# Allegro board meta_module_lay_rev1.brd (continued)
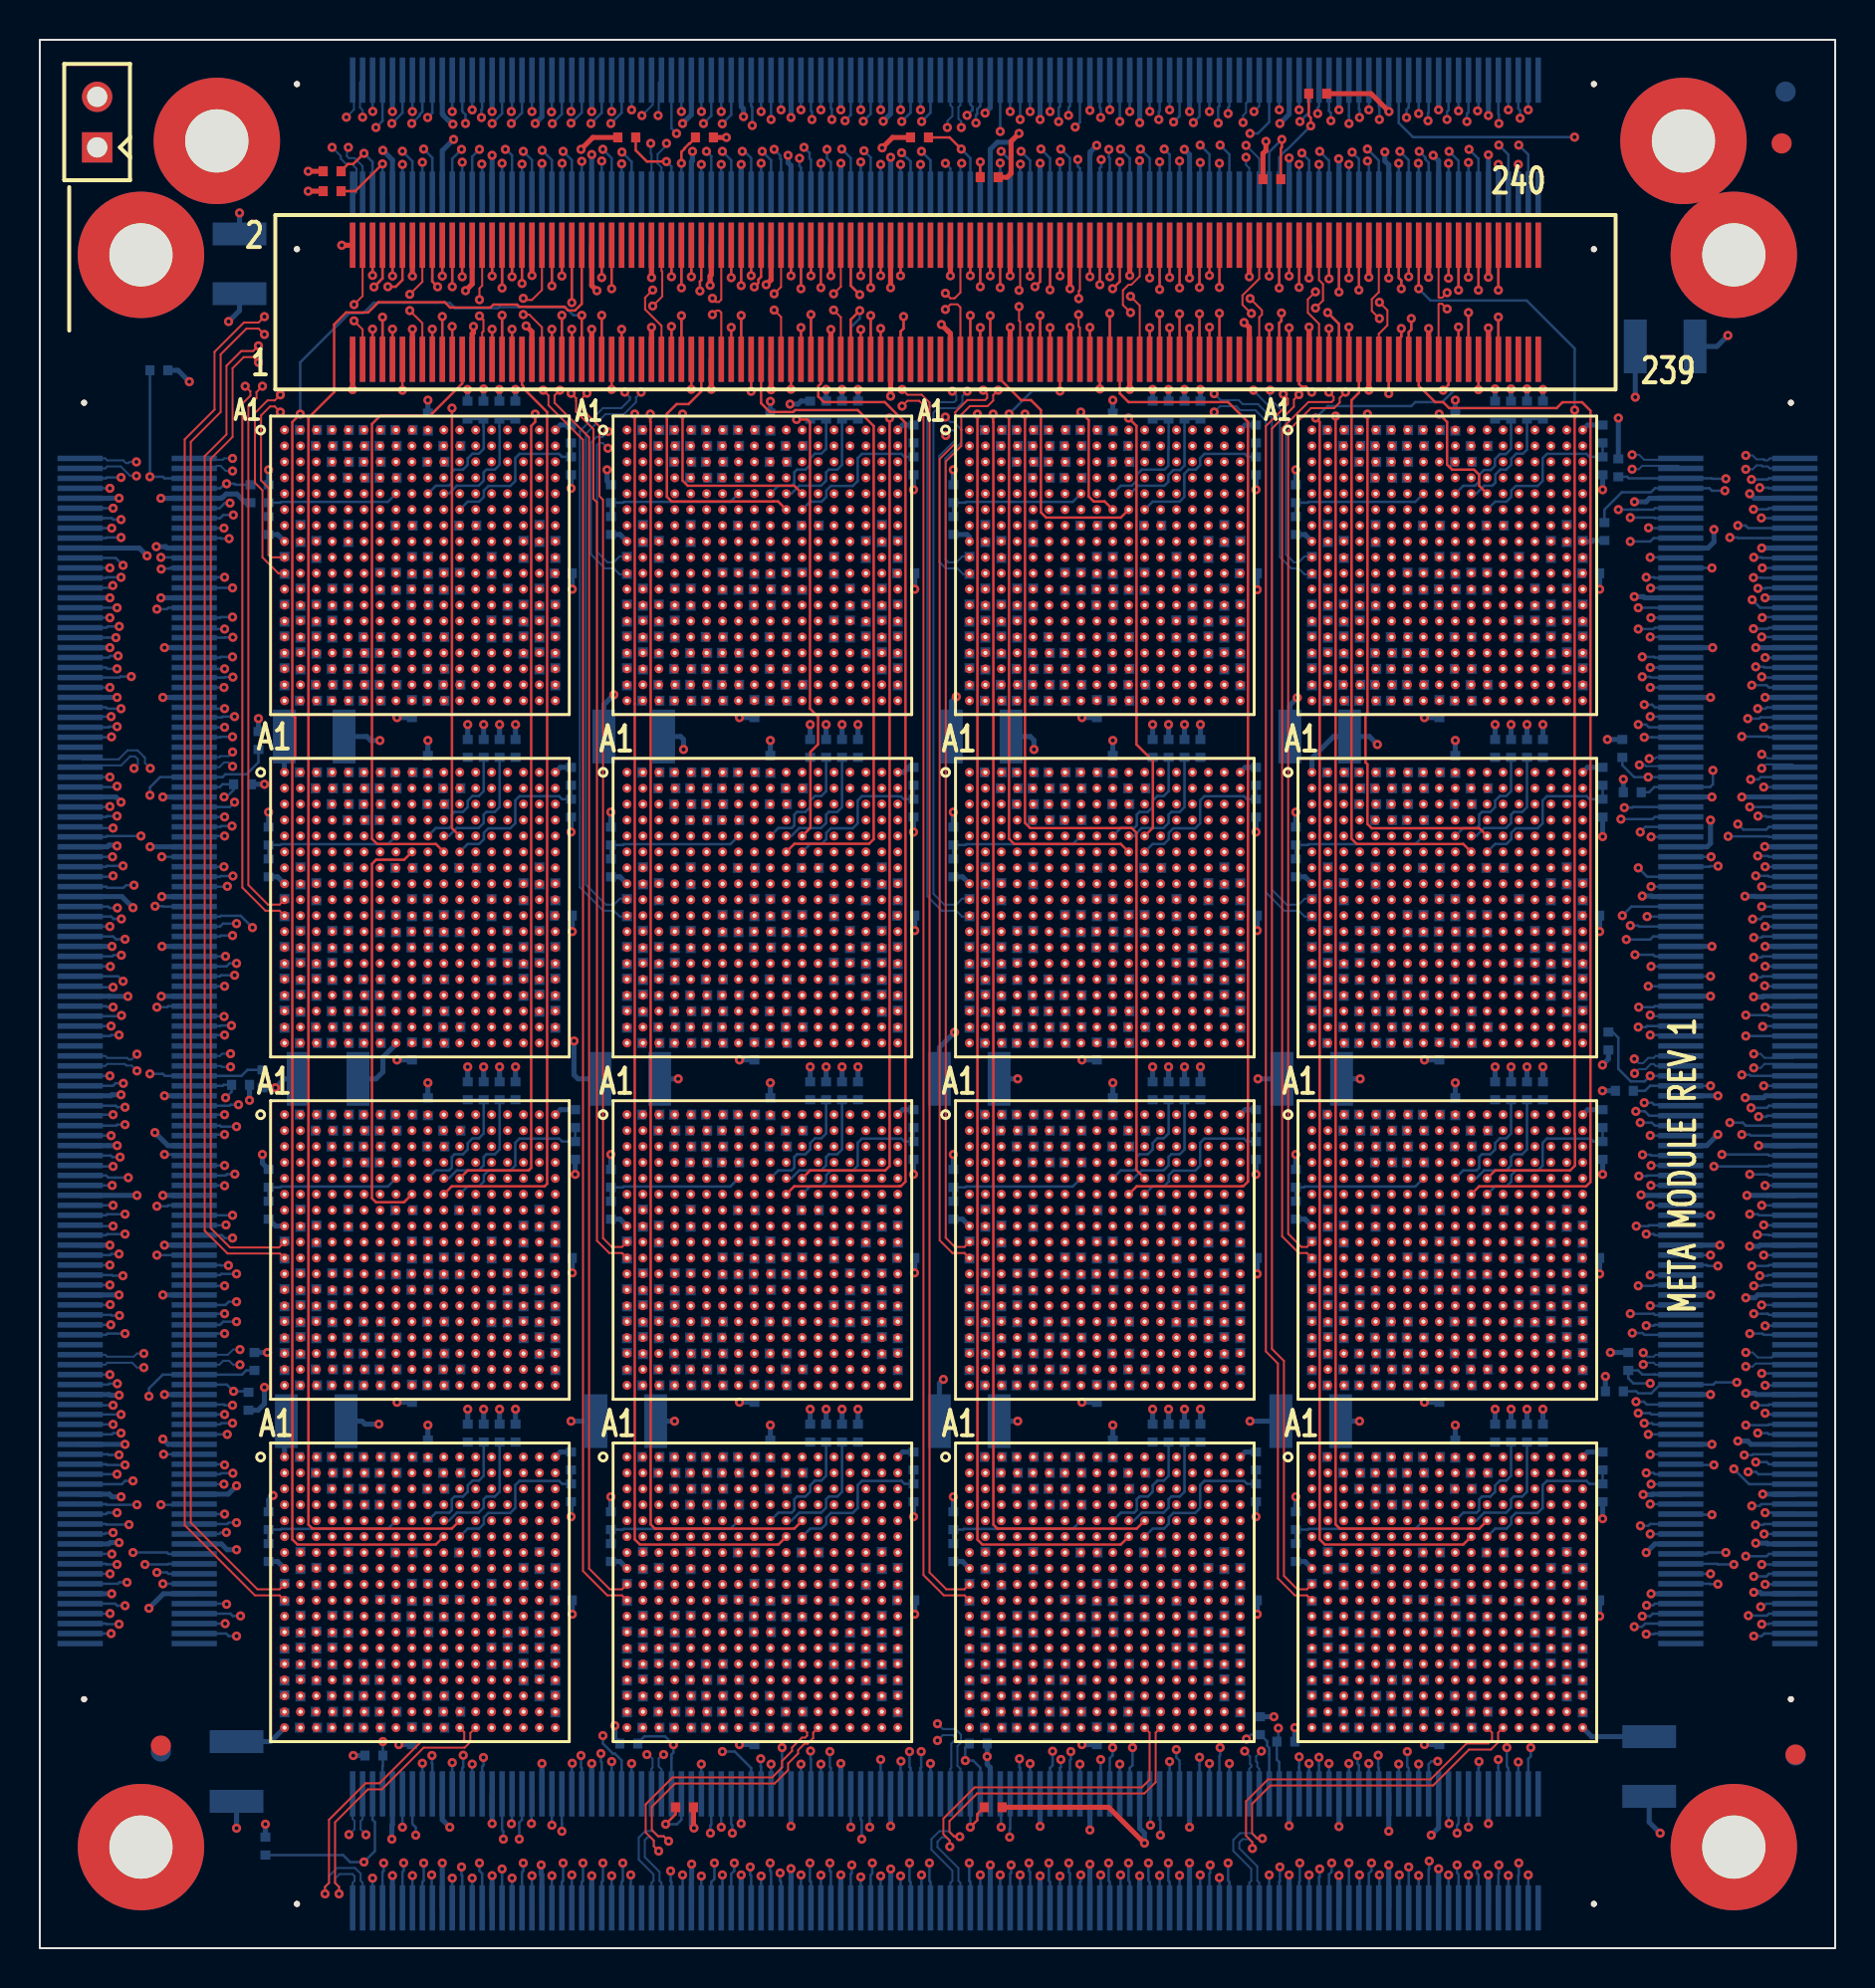
[diagram p0: board, top side]
## Routing (per net, layer and track width the routed paths; a pad name or vN(x,y) marks a point on that pad's centre or on a via; arc(x,y) is an arc through that point) (continued)
WE_DATA_IN_N4: length 4.6
  SIGNAL_L10 w0.083: v1(9.68,64.88) 11.08,64.88 11.28,65.08 U3.R1
  BOTTOM w0.127: v1(9.68,64.88) 9.09,64.88 9.05,64.84 J6.41
WE_DATA_IN_N5: length 6.5
  SIGNAL_L10 w0.083: U3.P2 12.69,65.48 12.69,64.89 12.48,64.68 11.68,64.68 10.86,63.86 v1(9.7,63.86)
  BOTTOM w0.127: J6.45 9.28,63.84 9.3,63.86 v1(9.7,63.86)
WE_DATA_IN_N6: length 11.9
  SIGNAL_L5 w0.083: U3.N3 14.28,67.07 14.28,67.68 14.08,67.88 11.88,67.88 11.28,67.28 11.28,64.28 v1(9.28,62.28)
  BOTTOM w0.127: J6.51 7.82,62.28 v1(9.28,62.28)
WE_DATA_IN_N7: length 11.3
  SIGNAL_L3 w0.083: v1(9.28,61.34) 9.77,61.34 10.28,61.85 10.28,62.68 11.08,63.48 11.08,65.28 12.08,66.28 13.37,66.28 13.48,66.39 13.48,66.81 13.73,67.06 14.27,67.06 U3.M4
  BOTTOM w0.127: v1(9.28,61.34) J6.55
WE_DATA_IN_N8: length 14.1
  SIGNAL_L12 w0.083: v1(6.12,54.84) 7.83,53.13 7.83,48.38 8.93,47.28 11.29,47.28 U4.U1
  BOTTOM w0.127: v1(6.12,54.84) J6.81
WE_DATA_IN_N9: length 11.4
  SIGNAL_L12 w0.083: v1(9.7,53.87) 9.27,53.87 8.98,53.58 8.98,50.71 9.61,50.08 9.81,50.08 11.78,48.11 11.78,47.87 12.2,47.45 12.72,47.45 U4.T2
  BOTTOM w0.127: J6.85 9.05,53.84 9.09,53.87 v1(9.7,53.87)
WE_DATA_IN_N10: length 11.9
  SIGNAL_L6 w0.083: v1(5.79,52.35) 9.82,48.32 12.13,48.32 12.14,48.31 13.24,48.31 13.25,48.32 13.45,48.32 U4.R3
  BOTTOM w0.127: v1(5.79,52.35) 6.18,52.35 6.2,52.34 J6.91
WE_DATA_IN_N11: length 9.3
  SIGNAL_L12 w0.083: U4.P4 15.08,49.07 15.08,49.61 14.81,49.88 11.48,49.88 v1(9.88,51.48)
  BOTTOM w0.127: v1(9.88,51.48) 9.2,51.48 9.05,51.34 J6.95
WE_DATA_IN_N12: length 5.9
  SIGNAL_L10 w0.083: U4.R1 10.26,47.88 9.33,48.82 v1(9.33,49.83)
  BOTTOM w0.127: v1(9.33,49.83) J6.101
WE_DATA_IN_N13: length 5.8
  SIGNAL_L10 w0.083: U4.P2 12.69,48.28 10.39,48.28 v1(9.78,48.88)
  BOTTOM w0.127: v1(9.78,48.88) 9.11,48.88 9.05,48.83 J6.105
WE_DATA_IN_N14: length 13.3
  SIGNAL_L5 w0.083: U4.N3 14.28,49.87 14.28,50.48 14.08,50.68 11.88,50.68 10.68,49.48 10.68,48.88 9.08,47.28 v1(5.88,47.28)
  BOTTOM w0.127: J6.111 6.45,47.33 6.4,47.28 v1(5.88,47.28)
WE_DATA_IN_N15: length 9
  SIGNAL_L3 w0.083: U4.M4 14.27,49.86 13.73,49.86 13.48,49.61 13.48,49.19 13.37,49.08 12.08,49.08 11.28,48.28 11.28,48.01 v1(9.62,46.36)
  BOTTOM w0.127: J6.115 9.05,46.33 9.08,46.36 v1(9.62,46.36)
WE_DATA_IN_N16: length 16.2
  SIGNAL_L12 w0.083: U11.U1 11.92,29.45 11.92,29.96 11.38,30.51 9.05,30.51 7.58,31.98 7.58,38.56 v1(6.26,39.88)
  BOTTOM w0.127: v1(6.26,39.88) 7.7,39.88 J6.141
WE_DATA_IN_N17: length 14.5
  SIGNAL_L12 w0.083: U11.T2 12.69,30.28 12.16,30.28 10.36,32.08 9.61,32.08 8.68,33.01 8.68,38.41 9.15,38.88 9.41,38.88 9.42,38.89 v1(9.79,38.89)
  BOTTOM w0.127: v1(9.79,38.89) 9.4,38.89 9.33,38.82 J6.145
WE_DATA_IN_N18: length 13.4
  SIGNAL_L6 w0.083: U11.R3 13.48,31.09 11.67,31.09 10.68,32.08 9.75,32.08 7.88,33.95 7.88,35.28 v1(5.88,37.28)
  BOTTOM w0.127: J6.151 6.45,37.32 6.41,37.28 v1(5.88,37.28)
WE_DATA_IN_N19: length 10.8
  SIGNAL_L12 w0.083: U11.P4 15.08,31.87 15.08,32.41 14.81,32.68 12.17,32.68 12.14,32.71 12.14,32.71 11.92,32.93 11.92,32.93 10.08,34.77 10.08,35.98 9.82,36.24 9.82,36.24 9.72,36.34 v1(9.35,36.34)
  BOTTOM w0.127: J6.155 9.32,36.32 9.34,36.34 v1(9.35,36.34)
WE_DATA_IN_N20: length 10.1
  SIGNAL_L10 w0.083: U11.R1 10.15,30.68 9.55,31.28 9.22,31.28 8.58,31.92 8.58,32.12 v1(5.88,34.82)
  BOTTOM w0.127: v1(5.88,34.82) J6.161
WE_DATA_IN_N21: length 8.5
  SIGNAL_L10 w0.083: v1(9.88,33.88) 9.28,33.88 8.88,33.48 8.88,33.15 9.17,32.85 10.71,32.85 11.68,31.88 12.69,31.88 U11.P2
  BOTTOM w0.127: J6.165 9.05,33.82 9.11,33.88 v1(9.88,33.88)
WE_DATA_IN_N22: length 8.3
  SIGNAL_L5 w0.083: v1(9.88,32.48) 10.88,32.48 11.88,33.48 14.08,33.48 14.28,33.28 14.28,32.67 U11.N3
  BOTTOM w0.127: J6.171 9.33,32.32 9.49,32.48 v1(9.88,32.48)
WE_DATA_IN_N23: length 7.9
  SIGNAL_L3 w0.083: U11.M4 14.27,32.66 13.73,32.66 13.48,32.41 13.48,31.99 13.37,31.88 11.68,31.88 11.28,31.48 v1(9.88,31.48)
  BOTTOM w0.127: J6.175 9.05,31.32 9.21,31.48 v1(9.88,31.48)
WE_DATA_IN_N24: length 17
  SIGNAL_L12 w0.083: v1(6.22,24.82) 7.73,23.3 7.73,16.44 U12.U1
  BOTTOM w0.127: v1(6.22,24.82) J6.201
WE_DATA_IN_N25: length 16.2
  SIGNAL_L12 w0.083: U12.T2 12.69,13.08 11.95,13.08 8.48,16.55 8.48,23.08 9.26,23.86 v1(9.7,23.86)
  BOTTOM w0.127: v1(9.7,23.86) 9.11,23.86 9.05,23.81 J6.205
WE_DATA_IN_N26: length 15.5
  SIGNAL_L6 w0.083: v1(6.08,22.28) 7.08,21.28 7.08,17.28 10.46,13.9 13.47,13.9 U12.R3
  BOTTOM w0.127: v1(6.08,22.28) 7.72,22.28 J6.211
WE_DATA_IN_N27: length 13.6
  SIGNAL_L12 w0.083: U12.P4 15.08,14.67 15.08,15.28 14.88,15.48 12.17,15.48 12.14,15.51 12.14,15.51 11.92,15.73 11.92,15.73 11.48,16.17 11.48,16.68 9.35,18.81 9.35,20.17 9.88,20.7 v1(9.88,21.38)
  BOTTOM w0.127: J6.215 9.42,21.31 9.49,21.38 v1(9.88,21.38)
WE_DATA_IN_N28: length 14.2
  SIGNAL_L10 w0.083: U12.R1 9.68,13.48 4.88,18.28 4.88,18.68 4.68,18.88 v1(4.68,19.88)
  BOTTOM w0.127: v1(4.68,19.88) 6.39,19.88 6.45,19.81 J6.221
WE_DATA_IN_N29: length 11.8
  SIGNAL_L10 w0.083: v1(5.88,18.88) 5.62,18.62 5.62,18.2 9.14,14.68 12.69,14.68 U12.P2
  BOTTOM w0.127: J6.225 6.45,18.81 6.38,18.88 v1(5.88,18.88)
WE_DATA_IN_N30: length 8.7
  SIGNAL_L5 w0.083: U12.N3 14.28,15.47 14.28,16.88 14.08,17.08 11.28,17.08 11.08,17.28 v1(9.38,17.28)
  BOTTOM w0.127: v1(9.38,17.28) 9.35,17.31 J6.231
WE_DATA_IN_N31: length 7.1
  SIGNAL_L6 w0.083: v1(9.31,16.31) 14.26,16.31 U12.M4
  BOTTOM w0.127: v1(9.31,16.31) J6.235
WE_DATA_IN_P0: length 10.2
  SIGNAL_L12 w0.083: v1(6.09,69.29) 7.98,67.41 7.98,67.04 9.57,65.44 10.52,65.44 11.68,64.28 U3.T1
  BOTTOM w0.127: J6.23 6.55,69.35 6.52,69.32 6.12,69.32 v1(6.09,69.29)
WE_DATA_IN_P1: length 7
  SIGNAL_L12 w0.083: v1(9.68,68.35) 9.68,67.88 12.08,65.48 12.69,65.48 U3.R2
  BOTTOM w0.127: v1(9.68,68.35) J6.27
WE_DATA_IN_P2: length 6.6
  SIGNAL_L6 w0.083: v1(9.68,66.88) 11.08,66.88 11.68,66.28 13.49,66.28 U3.P3
  BOTTOM w0.127: v1(9.68,66.88) 9.09,66.88 9.05,66.85 J6.33
WE_DATA_IN_P3: length 7.3
  SIGNAL_L9 w0.083: U3.N4 14.29,66.28 11.68,66.28 11.26,65.86 v1(9.7,65.86)
  BOTTOM w0.127: v1(9.7,65.86) 9.3,65.86 9.28,65.85 J6.37
WE_DATA_IN_P4: length 5.7
  SIGNAL_L10 w0.083: U3.P1 11.89,65.48 9.68,65.48 9.28,65.08 v1(9.28,64.28)
  BOTTOM w0.127: J6.43 7.82,64.28 v1(9.28,64.28)
WE_DATA_IN_P5: length 8.8
  SIGNAL_L10 w0.083: v1(9.25,63.34) 11.34,63.34 11.88,63.88 13.28,63.88 13.48,64.08 13.48,66.29 U3.N2
  BOTTOM w0.127: v1(9.25,63.34) J6.47
WE_DATA_IN_P6: length 10.2
  SIGNAL_L5 w0.083: U3.M3 13.49,67.08 12.08,67.08 11.68,66.68 11.68,63.78 v1(9.78,61.88)
  BOTTOM w0.127: v1(9.78,61.88) 9.19,61.88 9.15,61.84 J6.53
WE_DATA_IN_P7: length 13.2
  SIGNAL_L3 w0.083: v1(9.68,60.87) 10.48,61.67 10.48,62.38 11.48,63.38 11.48,64.97 11.98,65.46 13.35,65.46 13.48,65.59 13.48,66.01 13.75,66.28 14.88,66.28 15.11,66.51 15.11,67.86 U3.L4
  BOTTOM w0.127: v1(9.68,60.87) 9.08,60.87 9.05,60.84 J6.57
WE_DATA_IN_P8: length 12.6
  SIGNAL_L12 w0.083: v1(9.25,54.34) 8.13,53.22 8.13,48.34 8.99,47.48 11.88,47.48 12.02,47.34 12.03,47.34 U4.T1
  BOTTOM w0.127: v1(9.25,54.34) J6.83
WE_DATA_IN_P9: length 9.4
  SIGNAL_L12 w0.083: v1(9.42,53.35) 9.42,51.92 9.28,51.78 9.28,50.68 9.68,50.28 9.95,50.28 11.95,48.28 12.69,48.28 U4.R2
  BOTTOM w0.127: v1(9.42,53.35) 9.35,53.35 9.34,53.34 J6.87
WE_DATA_IN_P10: length 7.9
  SIGNAL_L6 w0.083: U4.P3 13.49,49.08 12.15,49.08 10.68,50.55 v1(10.68,51.28)
  BOTTOM w0.127: J6.93 9.05,51.83 9.09,51.87 10.09,51.87 v1(10.68,51.28)
WE_DATA_IN_P11: length 7.9
  SIGNAL_L12 w0.083: v1(9.68,50.88) 11.48,49.08 14.29,49.08 U4.N4
  BOTTOM w0.127: J6.97 9.05,50.83 9.1,50.88 v1(9.68,50.88)
WE_DATA_IN_P12: length 4.9
  SIGNAL_L10 w0.083: v1(9.88,49.48) 11.49,49.48 U4.P1
  BOTTOM w0.127: J6.103 9.38,49.33 9.53,49.48 v1(9.88,49.48)
WE_DATA_IN_P13: length 8.1
  SIGNAL_L10 w0.083: U4.N2 13.48,49.09 13.48,47.68 13.28,47.48 10.13,47.48 v1(9.28,48.33)
  BOTTOM w0.127: v1(9.28,48.33) J6.107
WE_DATA_IN_P14: length 7.7
  SIGNAL_L5 w0.083: v1(9.25,46.81) 11.68,49.24 11.68,49.48 12.08,49.88 13.49,49.88 U4.M3
  BOTTOM w0.127: J6.113 9.23,46.83 9.25,46.81 v1(9.25,46.81)
WE_DATA_IN_P15: length 11.6
  SIGNAL_L3 w0.083: v1(9.28,45.88) 9.88,45.88 9.98,45.98 10.68,45.98 10.88,46.18 10.88,47.17 11.98,48.26 13.35,48.26 13.48,48.39 13.48,48.81 13.75,49.08 14.88,49.08 15.11,49.31 15.11,50.66 U4.L4
  BOTTOM w0.127: J6.117 7.8,45.88 v1(9.28,45.88)
WE_DATA_IN_P16: length 15
  SIGNAL_L12 w0.083: v1(9.28,39.33) 8.91,39.33 7.78,38.2 7.78,32.13 8.58,31.33 9.5,31.33 9.75,31.08 11.09,31.08 U11.T1
  BOTTOM w0.127: v1(9.28,39.33) J6.143
WE_DATA_IN_P17: length 11.3
  SIGNAL_L12 w0.083: U11.R2 12.69,31.08 12.12,31.08 8.95,34.25 8.95,37.98 v1(9.28,38.31)
  BOTTOM w0.127: v1(9.28,38.31) 9.26,38.33 J6.147
WE_DATA_IN_P18: length 9.8
  SIGNAL_L6 w0.083: v1(9.68,36.82) 10.68,35.82 10.68,33.28 12.08,31.88 13.49,31.88 U11.P3
  BOTTOM w0.127: v1(9.68,36.82) J6.153
WE_DATA_IN_P19: length 9.6
  SIGNAL_L12 w0.083: U11.N4 14.29,31.88 12.08,31.88 11.68,32.28 11.68,32.63 9.68,34.63 v1(9.68,35.68)
  BOTTOM w0.127: J6.157 9.14,35.82 9.29,35.68 v1(9.68,35.68)
WE_DATA_IN_P20: length 7.8
  SIGNAL_L10 w0.083: v1(9.47,34.3) 9.45,34.28 9.08,34.28 8.68,33.88 8.68,33.08 9.88,31.88 10.68,31.88 11.08,31.48 U11.P1
  BOTTOM w0.127: J6.163 9.06,34.32 9.08,34.3 v1(9.47,34.3)
WE_DATA_IN_P21: length 5.8
  SIGNAL_L10 w0.083: U11.N2 12.69,32.68 11.88,32.68 11.28,33.28 v1(9.28,33.28)
  BOTTOM w0.127: v1(9.28,33.28) 7.8,33.28 J6.167
WE_DATA_IN_P22: length 6.7
  SIGNAL_L5 w0.083: v1(9.28,31.88) 11.08,31.88 11.88,32.68 13.49,32.68 U11.M3
  BOTTOM w0.127: J6.173 7.81,31.88 v1(9.28,31.88)
WE_DATA_IN_P23: length 10.1
  SIGNAL_L3 w0.083: U11.L4 15.11,33.46 15.11,32.11 14.88,31.88 13.75,31.88 13.48,31.61 13.48,31.19 13.37,31.08 11.48,31.08 11.28,30.88 v1(9.28,30.88)
  BOTTOM w0.127: v1(9.28,30.88) 7.82,30.88 J6.177
WE_DATA_IN_P24: length 15.8
  SIGNAL_L12 w0.083: v1(9.28,24.28) 8.88,24.28 8.1,23.5 8.1,16.5 11.92,12.68 U12.T1
  BOTTOM w0.127: J6.203 9.25,24.31 v1(9.28,24.28)
WE_DATA_IN_P25: length 13.6
  SIGNAL_L12 w0.083: v1(9.25,23.31) 8.88,22.95 8.88,18.68 10.88,16.68 10.88,15.12 12.12,13.88 12.69,13.88 U12.R2
  BOTTOM w0.127: v1(9.25,23.31) J6.207
WE_DATA_IN_P26: length 13.5
  SIGNAL_L6 w0.083: v1(9.28,21.81) 8.68,21.21 8.68,16.08 10.08,14.68 13.49,14.68 U12.P3
  BOTTOM w0.127: v1(9.28,21.81) J6.213
WE_DATA_IN_P27: length 12
  SIGNAL_L12 w0.083: U12.N4 14.29,14.68 12.08,14.68 11.07,15.69 11.07,16.76 9.1,18.72 9.1,20.63 v1(9.37,20.89)
  BOTTOM w0.127: v1(9.37,20.89) 9.09,20.89 9.01,20.81 J6.217
WE_DATA_IN_P28: length 12.2
  SIGNAL_L10 w0.083: v1(5.28,19.28) 5.28,18.28 9.28,14.28 U12.P1
  BOTTOM w0.127: v1(5.28,19.28) 6.42,19.28 6.45,19.31 J6.223
WE_DATA_IN_P29: length 10
  SIGNAL_L10 w0.083: v1(6.18,18.31) 9.21,15.28 11.3,15.28 11.5,15.48 12.69,15.48 U12.N2
  BOTTOM w0.127: J6.227 v1(6.18,18.31)
WE_DATA_IN_P30: length 6.5
  SIGNAL_L5 w0.083: v1(10.08,16.69) 11.07,16.69 11.45,16.31 13.46,16.31 U12.M3
  BOTTOM w0.127: v1(10.08,16.69) 9.69,16.69 9.57,16.81 J6.233
WE_DATA_IN_P31: length 8.7
  SIGNAL_L6 w0.083: v1(9.88,15.68) 11.88,15.68 12.08,15.48 14.88,15.48 15.08,15.68 15.08,16.29 U12.L4
  BOTTOM w0.127: v1(9.88,15.68) 9.49,15.68 9.36,15.81 J6.237
WE_DATA_N0: length 10.3
  SIGNAL_L5 w0.083: U7.H4 48.72,70.31 48.72,68.92 48.48,68.68 46.48,68.68 46.08,68.28 46.08,66.9 43.46,64.28 U1.T18
WE_DATA_N0_SNOW4-1: length 10.3
  SIGNAL_L5 w0.083: U3.T18 26.26,64.28 28.88,66.9 28.88,68.28 29.28,68.68 31.28,68.68 31.52,68.92 31.52,70.31 U1.H4
WE_DATA_N0_SNOW4-2: length 10.3
  SIGNAL_L5 w0.083: U7.T18 60.66,64.28 63.28,66.9 63.28,68.28 63.68,68.68 65.68,68.68 65.92,68.92 65.92,70.31 U5.H4
WE_DATA_N0_SNOW4-3: length 10.3
  SIGNAL_L5 w0.083: U11.T18 26.26,29.88 28.88,32.5 28.88,33.88 29.28,34.28 31.28,34.28 31.52,34.52 31.52,35.91 U9.H4
WE_DATA_N0_SNOW4-4: length 10.3
  SIGNAL_L5 w0.083: U13.H4 65.92,35.91 65.92,34.52 65.68,34.28 63.68,34.28 63.28,33.88 63.28,32.5 60.66,29.88 U15.T18
WE_DATA_N1: length 12.6
  SIGNAL_L9 w0.083: U7.G3 48.33,71.48 48.73,71.08 49.28,71.08 49.48,70.88 49.48,70.68 49.47,70.67 49.47,68.12 49.23,67.88 45.88,67.88 43.48,65.48 42.69,65.48 U1.R17
WE_DATA_N1_SNOW4-1: length 12.6
  SIGNAL_L9 w0.083: U3.R17 25.49,65.48 26.28,65.48 28.68,67.88 32.03,67.88 32.27,68.12 32.27,70.67 32.28,70.68 32.28,70.88 32.08,71.08 31.53,71.08 31.13,71.48 U1.G3
WE_DATA_N1_SNOW4-2: length 12.6
  SIGNAL_L9 w0.083: U7.R17 59.89,65.48 60.68,65.48 63.08,67.88 66.43,67.88 66.67,68.12 66.67,70.67 66.68,70.68 66.68,70.88 66.48,71.08 65.93,71.08 65.53,71.48 U5.G3
WE_DATA_N1_SNOW4-3: length 12.6
  SIGNAL_L9 w0.083: U11.R17 25.49,31.08 26.28,31.08 28.68,33.48 32.03,33.48 32.27,33.72 32.27,36.27 32.28,36.28 32.28,36.48 32.08,36.68 31.53,36.68 31.13,37.08 U9.G3
WE_DATA_N1_SNOW4-4: length 12.6
  SIGNAL_L9 w0.083: U13.G3 65.53,37.08 65.93,36.68 66.48,36.68 66.68,36.48 66.68,36.28 66.67,36.27 66.67,33.72 66.43,33.48 63.08,33.48 60.68,31.08 59.89,31.08 U15.R17
WE_DATA_N2: length 16.9
  SIGNAL_L6 w0.083: U7.F2 47.09,71.88 45.68,71.88 44.88,71.08 41.35,71.08 41.11,71.32 41.11,71.65 40.88,71.88 40.48,71.88 40.27,71.67 40.27,71.32 40.01,71.06 39.66,71.06 39.48,70.88 39.48,68.95 39.75,68.68 41.68,68.68 41.88,68.48 41.88,66.27 U1.P16
WE_DATA_N2_SNOW4-1: length 16.9
  SIGNAL_L6 w0.083: U1.F2 29.89,71.88 28.48,71.88 27.68,71.08 24.15,71.08 23.91,71.32 23.91,71.65 23.68,71.88 23.28,71.88 23.07,71.67 23.07,71.32 22.81,71.06 22.46,71.06 22.28,70.88 22.28,68.95 22.55,68.68 24.48,68.68 24.68,68.48 24.68,66.27 U3.P16
WE_DATA_N2_SNOW4-2: length 16.9
  SIGNAL_L6 w0.083: U5.F2 64.29,71.88 62.88,71.88 62.08,71.08 58.55,71.08 58.31,71.32 58.31,71.65 58.08,71.88 57.68,71.88 57.47,71.67 57.47,71.32 57.21,71.06 56.86,71.06 56.68,70.88 56.68,68.95 56.95,68.68 58.88,68.68 59.08,68.48 59.08,66.27 U7.P16
WE_DATA_N2_SNOW4-3: length 16.9
  SIGNAL_L6 w0.083: U11.P16 24.68,31.87 24.68,34.08 24.48,34.28 22.55,34.28 22.28,34.55 22.28,36.48 22.46,36.66 22.81,36.66 23.07,36.92 23.07,37.27 23.28,37.48 23.68,37.48 23.91,37.25 23.91,36.92 24.15,36.68 27.68,36.68 28.48,37.48 29.89,37.48 U9.F2
WE_DATA_N2_SNOW4-4: length 16.9
  SIGNAL_L6 w0.083: U13.F2 64.29,37.48 62.88,37.48 62.08,36.68 58.55,36.68 58.31,36.92 58.31,37.25 58.08,37.48 57.68,37.48 57.47,37.27 57.47,36.92 57.21,36.66 56.86,36.66 56.68,36.48 56.68,34.55 56.95,34.28 58.88,34.28 59.08,34.08 59.08,31.87 U15.P16
WE_DATA_N3: length 10.9
  SIGNAL_L5 w0.083: U7.E1 45.48,73.08 44.28,71.88 42.97,71.88 42.68,71.59 42.68,68.08 42.48,67.88 42.08,67.88 41.88,67.68 41.88,67.28 41.68,67.08 41.09,67.08 U1.N15
WE_DATA_N3_SNOW4-1: length 10.9
  SIGNAL_L5 w0.083: U3.N15 23.89,67.08 24.48,67.08 24.68,67.28 24.68,67.68 24.88,67.88 25.28,67.88 25.48,68.08 25.48,71.59 25.77,71.88 27.08,71.88 28.28,73.08 U1.E1
WE_DATA_N3_SNOW4-2: length 10.9
  SIGNAL_L5 w0.083: U5.E1 62.68,73.08 61.48,71.88 60.17,71.88 59.88,71.59 59.88,68.08 59.68,67.88 59.28,67.88 59.08,67.68 59.08,67.28 58.88,67.08 58.29,67.08 U7.N15
WE_DATA_N3_SNOW4-3: length 10.9
  SIGNAL_L5 w0.083: U11.N15 23.89,32.68 24.48,32.68 24.68,32.88 24.68,33.28 24.88,33.48 25.28,33.48 25.48,33.68 25.48,37.19 25.77,37.48 27.08,37.48 28.28,38.68 U9.E1
WE_DATA_N3_SNOW4-4: length 10.9
  SIGNAL_L5 w0.083: U13.E1 62.68,38.68 61.48,37.48 60.17,37.48 59.88,37.19 59.88,33.68 59.68,33.48 59.28,33.48 59.08,33.28 59.08,32.88 58.88,32.68 58.29,32.68 U15.N15
WE_DATA_N4: length 10.8
  SIGNAL_L5 w0.083: U7.F4 48.7,71.89 48.09,71.89 48.09,71.88 47.89,71.68 47.89,71.28 47.69,71.08 47.28,71.08 47.08,70.88 47.08,70.48 46.88,70.28 45.88,70.28 45.28,69.68 45.28,66.88 44.28,65.88 U1.P18
WE_DATA_N4_SNOW4-1: length 10.8
  SIGNAL_L5 w0.083: U1.F4 31.5,71.89 30.89,71.89 30.89,71.88 30.69,71.68 30.69,71.28 30.49,71.08 30.08,71.08 29.88,70.88 29.88,70.48 29.68,70.28 28.68,70.28 28.08,69.68 28.08,66.88 27.08,65.88 U3.P18
WE_DATA_N4_SNOW4-2: length 10.8
  SIGNAL_L5 w0.083: U5.F4 65.9,71.89 65.29,71.89 65.29,71.88 65.09,71.68 65.09,71.28 64.89,71.08 64.48,71.08 64.28,70.88 64.28,70.48 64.08,70.28 63.08,70.28 62.48,69.68 62.48,66.88 61.48,65.88 U7.P18
WE_DATA_N4_SNOW4-3: length 10.8
  SIGNAL_L5 w0.083: U9.F4 31.5,37.49 30.89,37.49 30.89,37.48 30.69,37.28 30.69,36.88 30.49,36.68 30.08,36.68 29.88,36.48 29.88,36.08 29.68,35.88 28.68,35.88 28.08,35.28 28.08,32.48 27.08,31.48 U11.P18
WE_DATA_N4_SNOW4-4: length 10.8
  SIGNAL_L5 w0.083: U13.F4 65.9,37.49 65.29,37.49 65.29,37.48 65.09,37.28 65.09,36.88 64.89,36.68 64.48,36.68 64.28,36.48 64.28,36.08 64.08,35.88 63.08,35.88 62.48,35.28 62.48,32.48 61.48,31.48 U15.P18
WE_DATA_N5: length 10.6
  SIGNAL_L5 w0.083: U1.N17 42.72,67.11 44.05,67.11 44.48,67.54 44.48,70.48 45.88,71.88 46.88,71.88 47.08,72.08 47.08,72.48 47.28,72.68 47.89,72.68 U7.E3
WE_DATA_N5_SNOW4-1: length 10.6
  SIGNAL_L5 w0.083: U1.E3 30.69,72.68 30.08,72.68 29.88,72.48 29.88,72.08 29.68,71.88 28.68,71.88 27.28,70.48 27.28,67.54 26.85,67.11 25.52,67.11 U3.N17
WE_DATA_N5_SNOW4-2: length 10.6
  SIGNAL_L5 w0.083: U5.E3 65.09,72.68 64.48,72.68 64.28,72.48 64.28,72.08 64.08,71.88 63.08,71.88 61.68,70.48 61.68,67.54 61.25,67.11 59.92,67.11 U7.N17
WE_DATA_N5_SNOW4-3: length 10.6
  SIGNAL_L5 w0.083: U11.N17 25.52,32.71 26.85,32.71 27.28,33.14 27.28,36.08 28.68,37.48 29.68,37.48 29.88,37.68 29.88,38.08 30.08,38.28 30.69,38.28 U9.E3
WE_DATA_N5_SNOW4-4: length 10.6
  SIGNAL_L5 w0.083: U13.E3 65.09,38.28 64.48,38.28 64.28,38.08 64.28,37.68 64.08,37.48 63.08,37.48 61.68,36.08 61.68,33.14 61.25,32.71 59.92,32.71 U15.N17
WE_DATA_N6: length 13.9
  SIGNAL_L9 w0.083: U7.D2 47.07,73.46 45.71,73.46 45.5,73.67 43.68,73.67 43.47,73.46 41.33,73.46 41.11,73.24 41.11,72.9 40.89,72.68 40.55,72.68 40.29,72.42 40.29,68.14 40.55,67.88 41.09,67.88 U1.M16
WE_DATA_N6_SNOW4-1: length 14
  SIGNAL_L9 w0.083: U3.M16 23.89,67.88 23.35,67.88 23.09,68.14 23.09,72.42 23.35,72.68 23.69,72.68 23.91,72.9 23.91,73.24 24.13,73.46 26.06,73.46 26.32,73.72 28.64,73.72 28.88,73.48 29.89,73.48 U1.D2
WE_DATA_N6_SNOW4-2: length 13.9
  SIGNAL_L9 w0.083: U7.M16 58.29,67.88 57.75,67.88 57.49,68.14 57.49,72.42 57.75,72.68 58.09,72.68 58.31,72.9 58.31,73.24 58.53,73.46 60.67,73.46 60.88,73.67 62.7,73.67 62.91,73.46 64.27,73.46 U5.D2
WE_DATA_N6_SNOW4-3: length 13.9
  SIGNAL_L9 w0.083: U11.M16 23.89,33.48 23.35,33.48 23.09,33.74 23.09,38.02 23.35,38.28 23.69,38.28 23.91,38.5 23.91,38.84 24.13,39.06 26.27,39.06 26.48,39.27 28.3,39.27 28.51,39.06 29.87,39.06 U9.D2
WE_DATA_N6_SNOW4-4: length 13.9
  SIGNAL_L9 w0.083: U15.M16 58.29,33.48 57.75,33.48 57.49,33.74 57.49,38.02 57.75,38.28 58.09,38.28 58.31,38.5 58.31,38.84 58.53,39.06 60.67,39.06 60.88,39.27 62.7,39.27 62.91,39.06 64.27,39.06 U13.D2
WE_DATA_N7: length 11.8
  SIGNAL_L5 w0.083: U1.L15 41.09,68.68 41.09,74 41.36,74.27 43.47,74.27 43.88,74.68 U7.C1
WE_DATA_N7_SNOW4-1: length 11.8
  SIGNAL_L5 w0.083: U3.L15 23.89,68.68 23.89,74 24.16,74.27 26.27,74.27 26.68,74.68 U1.C1
WE_DATA_N7_SNOW4-2: length 11.8
  SIGNAL_L5 w0.083: U7.L15 58.29,68.68 58.29,74 58.56,74.27 60.67,74.27 61.08,74.68 U5.C1
WE_DATA_N7_SNOW4-3: length 11.8
  SIGNAL_L5 w0.083: U9.C1 26.68,40.28 26.27,39.87 24.16,39.87 23.89,39.6 23.89,34.28 U11.L15
WE_DATA_N7_SNOW4-4: length 11.8
  SIGNAL_L5 w0.083: U15.L15 58.29,34.28 58.29,39.6 58.56,39.87 60.67,39.87 61.08,40.28 U13.C1
WE_DATA_N8: length 10.3
  SIGNAL_L5 w0.083: U8.H4 48.72,53.11 48.72,51.72 48.48,51.48 46.48,51.48 46.08,51.08 46.08,49.7 43.46,47.08 U2.T18
WE_DATA_N8_SNOW4-1: length 10.3
  SIGNAL_L5 w0.083: U2.H4 31.52,53.11 31.52,51.72 31.28,51.48 29.28,51.48 28.88,51.08 28.88,49.7 26.26,47.08 U4.T18
WE_DATA_N8_SNOW4-2: length 10.3
  SIGNAL_L5 w0.083: U6.H4 65.92,53.11 65.92,51.72 65.68,51.48 63.68,51.48 63.28,51.08 63.28,49.7 60.66,47.08 U8.T18
WE_DATA_N8_SNOW4-3: length 10.3
  SIGNAL_L5 w0.083: U10.H4 31.52,18.71 31.52,17.32 31.28,17.08 29.28,17.08 28.88,16.68 28.88,15.3 26.26,12.68 U12.T18
WE_DATA_N8_SNOW4-4: length 10.3
  SIGNAL_L5 w0.083: U16.T18 60.66,12.68 63.28,15.3 63.28,16.68 63.68,17.08 65.68,17.08 65.92,17.32 65.92,18.71 U14.H4
WE_DATA_N9: length 12.6
  SIGNAL_L9 w0.083: U8.G3 48.33,54.28 48.73,53.88 49.28,53.88 49.48,53.68 49.48,53.48 49.47,53.47 49.47,50.92 49.23,50.68 45.88,50.68 43.48,48.28 42.69,48.28 U2.R17
WE_DATA_N9_SNOW4-1: length 12.6
  SIGNAL_L9 w0.083: U4.R17 25.49,48.28 26.28,48.28 28.68,50.68 32.03,50.68 32.27,50.92 32.27,53.47 32.28,53.48 32.28,53.68 32.08,53.88 31.53,53.88 31.13,54.28 U2.G3
WE_DATA_N9_SNOW4-2: length 12.6
  SIGNAL_L9 w0.083: U6.G3 65.53,54.28 65.93,53.88 66.48,53.88 66.68,53.68 66.68,53.48 66.67,53.47 66.67,50.92 66.43,50.68 63.08,50.68 60.68,48.28 59.89,48.28 U8.R17
WE_DATA_N9_SNOW4-3: length 12.6
  SIGNAL_L9 w0.083: U10.G3 31.13,19.88 31.53,19.48 32.08,19.48 32.28,19.28 32.28,19.08 32.27,19.07 32.27,16.52 32.03,16.28 28.68,16.28 26.28,13.88 25.49,13.88 U12.R17
WE_DATA_N9_SNOW4-4: length 12.6
  SIGNAL_L9 w0.083: U16.R17 59.89,13.88 60.68,13.88 63.08,16.28 66.43,16.28 66.67,16.52 66.67,19.07 66.68,19.08 66.68,19.28 66.48,19.48 65.93,19.48 65.53,19.88 U14.G3
WE_DATA_N10: length 16.9
  SIGNAL_L6 w0.083: U2.P16 41.88,49.07 41.88,51.28 41.68,51.48 39.75,51.48 39.48,51.75 39.48,53.68 39.66,53.86 40.01,53.86 40.27,54.12 40.27,54.47 40.48,54.68 40.88,54.68 41.11,54.45 41.11,54.12 41.35,53.88 44.88,53.88 45.68,54.68 47.09,54.68 U8.F2
WE_DATA_N10_SNOW4-1: length 16.9
  SIGNAL_L6 w0.083: U4.P16 24.68,49.07 24.68,51.28 24.48,51.48 22.55,51.48 22.28,51.75 22.28,53.68 22.46,53.86 22.81,53.86 23.07,54.12 23.07,54.47 23.28,54.68 23.68,54.68 23.91,54.45 23.91,54.12 24.15,53.88 27.68,53.88 28.48,54.68 29.89,54.68 U2.F2
WE_DATA_N10_SNOW4-2: length 16.9
  SIGNAL_L6 w0.083: U8.P16 59.08,49.07 59.08,51.28 58.88,51.48 56.95,51.48 56.68,51.75 56.68,53.68 56.86,53.86 57.21,53.86 57.47,54.12 57.47,54.47 57.68,54.68 58.08,54.68 58.31,54.45 58.31,54.12 58.55,53.88 62.08,53.88 62.88,54.68 64.29,54.68 U6.F2
WE_DATA_N10_SNOW4-3: length 16.9
  SIGNAL_L6 w0.083: U12.P16 24.68,14.67 24.68,16.88 24.48,17.08 22.55,17.08 22.28,17.35 22.28,19.28 22.46,19.46 22.81,19.46 23.07,19.72 23.07,20.07 23.28,20.28 23.68,20.28 23.91,20.05 23.91,19.72 24.15,19.48 27.68,19.48 28.48,20.28 29.89,20.28 U10.F2
WE_DATA_N10_SNOW4-4: length 16.9
  SIGNAL_L6 w0.083: U14.F2 64.29,20.28 62.88,20.28 62.08,19.48 58.55,19.48 58.31,19.72 58.31,20.05 58.08,20.28 57.68,20.28 57.47,20.07 57.47,19.72 57.21,19.46 56.86,19.46 56.68,19.28 56.68,17.35 56.95,17.08 58.88,17.08 59.08,16.88 59.08,14.67 U16.P16
WE_DATA_N11: length 10.9
  SIGNAL_L5 w0.083: U8.E1 45.48,55.88 44.28,54.68 42.97,54.68 42.68,54.39 42.68,50.88 42.48,50.68 42.08,50.68 41.88,50.48 41.88,50.08 41.68,49.88 41.09,49.88 U2.N15
WE_DATA_N11_SNOW4-1: length 10.9
  SIGNAL_L5 w0.083: U2.E1 28.28,55.88 27.08,54.68 25.77,54.68 25.48,54.39 25.48,50.88 25.28,50.68 24.88,50.68 24.68,50.48 24.68,50.08 24.48,49.88 23.89,49.88 U4.N15
WE_DATA_N11_SNOW4-2: length 10.9
  SIGNAL_L5 w0.083: U8.N15 58.29,49.88 58.88,49.88 59.08,50.08 59.08,50.48 59.28,50.68 59.68,50.68 59.88,50.88 59.88,54.39 60.17,54.68 61.48,54.68 62.68,55.88 U6.E1
WE_DATA_N11_SNOW4-3: length 10.9
  SIGNAL_L5 w0.083: U12.N15 23.89,15.48 24.48,15.48 24.68,15.68 24.68,16.08 24.88,16.28 25.28,16.28 25.48,16.48 25.48,19.99 25.77,20.28 27.08,20.28 28.28,21.48 U10.E1
WE_DATA_N11_SNOW4-4: length 10.9
  SIGNAL_L5 w0.083: U14.E1 62.68,21.48 61.48,20.28 60.17,20.28 59.88,19.99 59.88,16.48 59.68,16.28 59.28,16.28 59.08,16.08 59.08,15.68 58.88,15.48 58.29,15.48 U16.N15
WE_DATA_N12: length 10.8
  SIGNAL_L5 w0.083: U2.P18 44.28,48.68 45.28,49.68 45.28,52.48 45.88,53.08 46.88,53.08 47.08,53.28 47.08,53.68 47.28,53.88 47.69,53.88 47.89,54.08 47.89,54.48 48.09,54.68 48.09,54.69 48.7,54.69 U8.F4
WE_DATA_N12_SNOW4-1: length 10.8
  SIGNAL_L5 w0.083: U4.P18 27.08,48.68 28.08,49.68 28.08,52.48 28.68,53.08 29.68,53.08 29.88,53.28 29.88,53.68 30.08,53.88 30.49,53.88 30.69,54.08 30.69,54.48 30.89,54.68 30.89,54.69 31.5,54.69 U2.F4
WE_DATA_N12_SNOW4-2: length 10.8
  SIGNAL_L5 w0.083: U6.F4 65.9,54.69 65.29,54.69 65.29,54.68 65.09,54.48 65.09,54.08 64.89,53.88 64.48,53.88 64.28,53.68 64.28,53.28 64.08,53.08 63.08,53.08 62.48,52.48 62.48,49.68 61.48,48.68 U8.P18
WE_DATA_N12_SNOW4-3: length 10.8
  SIGNAL_L5 w0.083: U12.P18 27.08,14.28 28.08,15.28 28.08,18.08 28.68,18.68 29.68,18.68 29.88,18.88 29.88,19.28 30.08,19.48 30.49,19.48 30.69,19.68 30.69,20.08 30.89,20.28 30.89,20.29 31.5,20.29 U10.F4
WE_DATA_N12_SNOW4-4: length 10.8
  SIGNAL_L5 w0.083: U14.F4 65.9,20.29 65.29,20.29 65.29,20.28 65.09,20.08 65.09,19.68 64.89,19.48 64.48,19.48 64.28,19.28 64.28,18.88 64.08,18.68 63.08,18.68 62.48,18.08 62.48,15.28 61.48,14.28 U16.P18
WE_DATA_N13: length 10.6
  SIGNAL_L5 w0.083: U2.N17 42.72,49.91 44.05,49.91 44.48,50.34 44.48,53.28 45.88,54.68 46.88,54.68 47.08,54.88 47.08,55.28 47.28,55.48 47.89,55.48 U8.E3
WE_DATA_N13_SNOW4-1: length 10.6
  SIGNAL_L5 w0.083: U4.N17 25.52,49.91 26.85,49.91 27.28,50.34 27.28,53.28 28.68,54.68 29.68,54.68 29.88,54.88 29.88,55.28 30.08,55.48 30.69,55.48 U2.E3
WE_DATA_N13_SNOW4-2: length 10.6
  SIGNAL_L5 w0.083: U6.E3 65.09,55.48 64.48,55.48 64.28,55.28 64.28,54.88 64.08,54.68 63.08,54.68 61.68,53.28 61.68,50.34 61.25,49.91 59.92,49.91 U8.N17
WE_DATA_N13_SNOW4-3: length 10.6
  SIGNAL_L5 w0.083: U12.N17 25.52,15.51 26.85,15.51 27.28,15.94 27.28,18.88 28.68,20.28 29.68,20.28 29.88,20.48 29.88,20.88 30.08,21.08 30.69,21.08 U10.E3